# Altium PCB BatteryBoard.PcbDoc (part 1 of 2)
Units mil, origin at the board's own origin, x right, y up, seen from the top; angles counter-clockwise.
Board outline 9610 x 6351.06 mil, 2 copper layers (Top Layer, Bottom Layer); 145 components, 91 nets, 495 pads, 778 vias.
Unrouted connection lines stored in the file: 1.
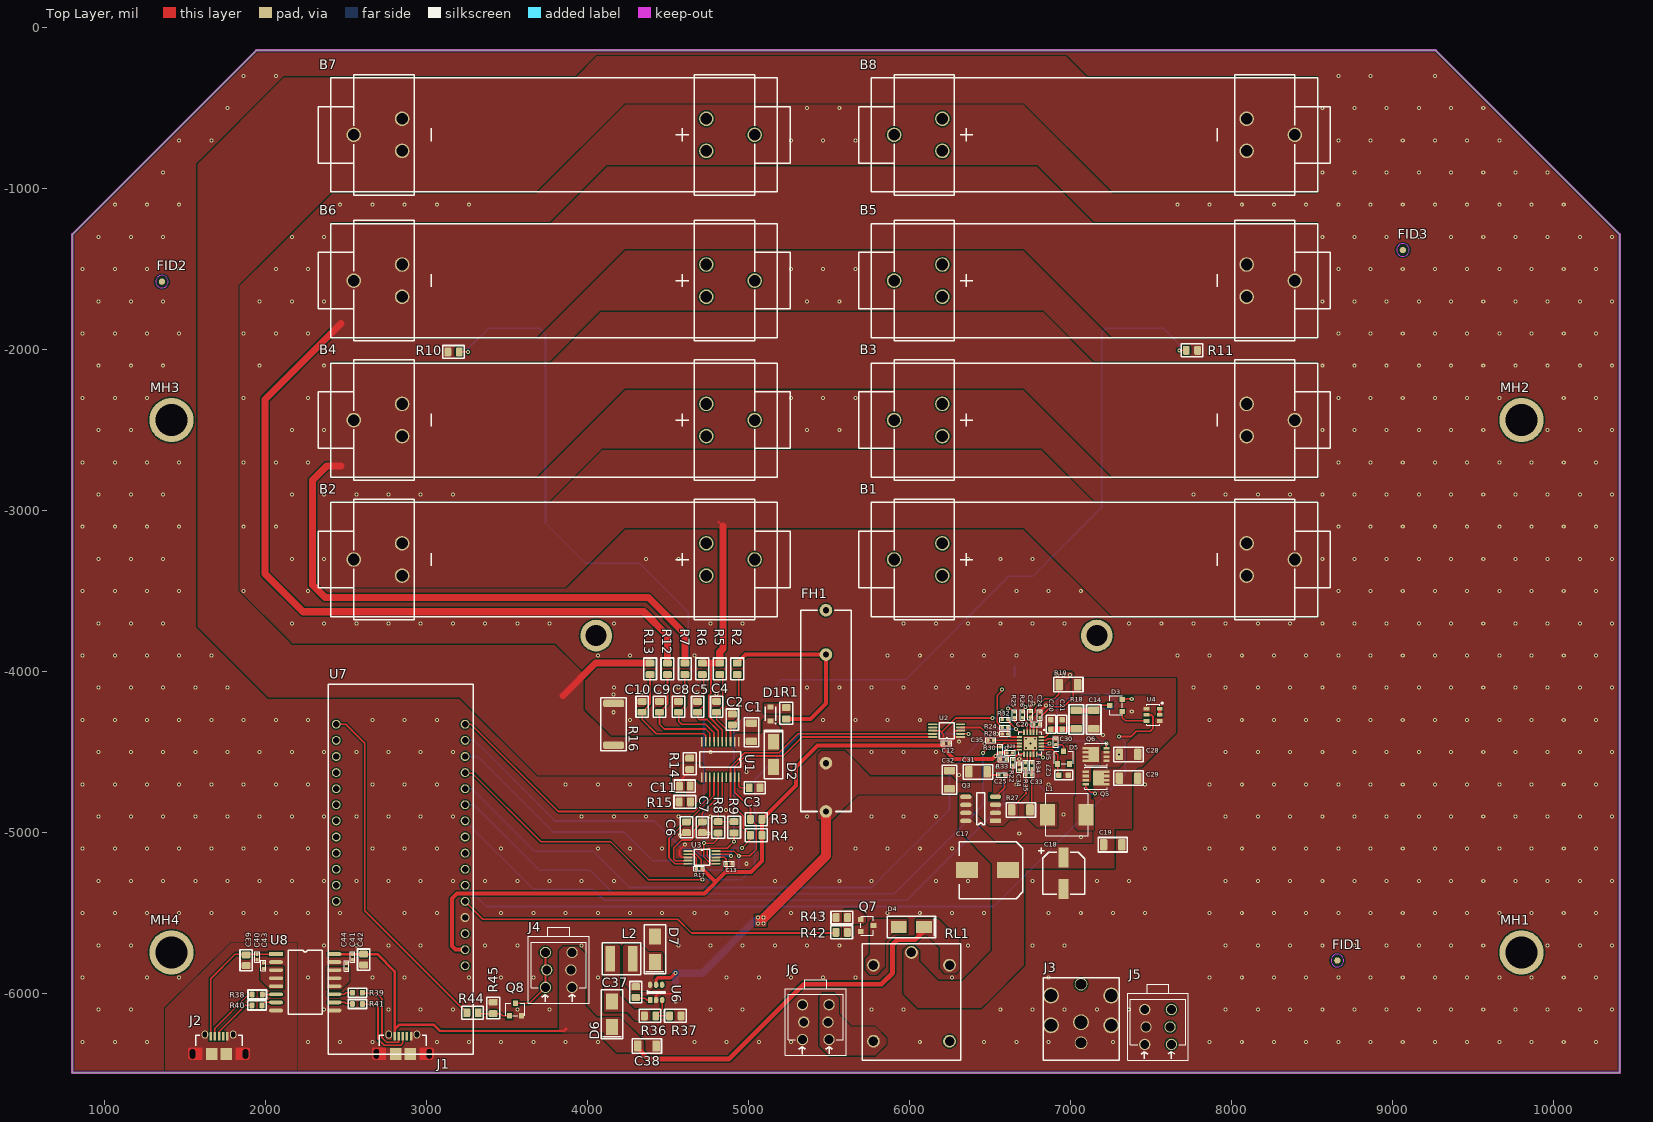
[diagram p0: Top Layer view]
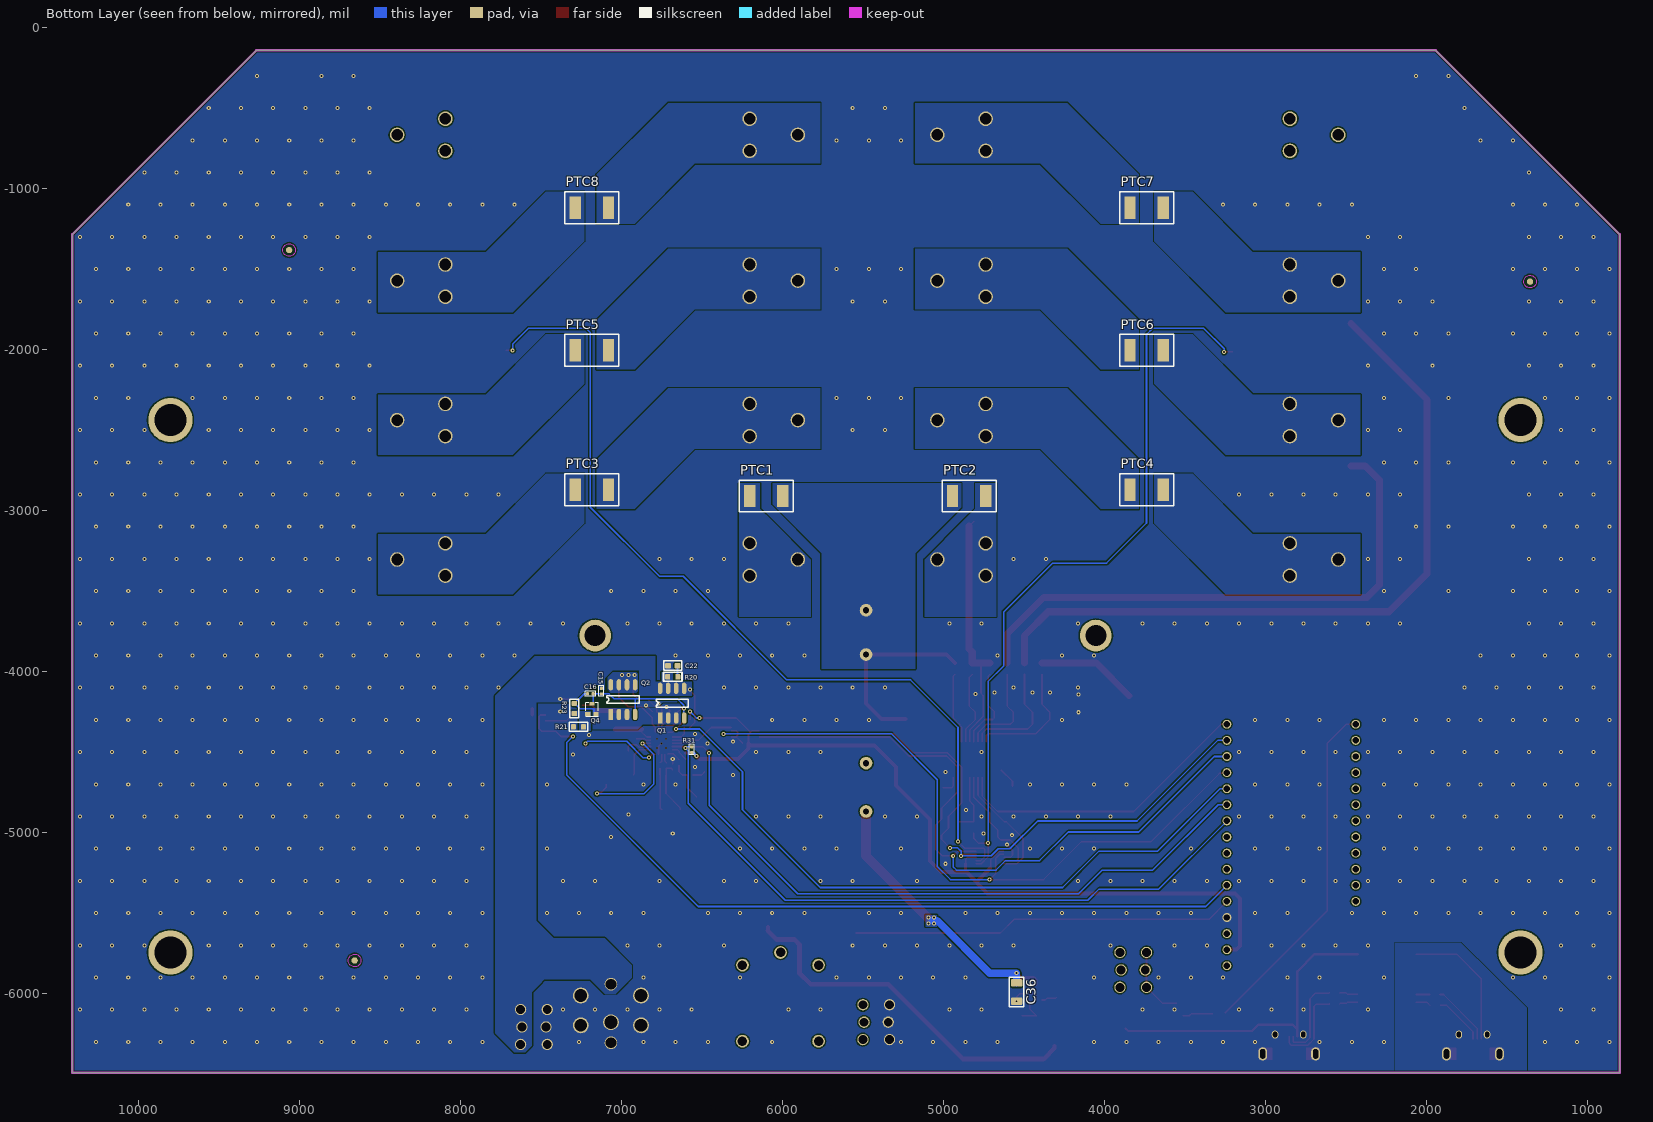
[diagram p1: Bottom Layer view, seen from below]
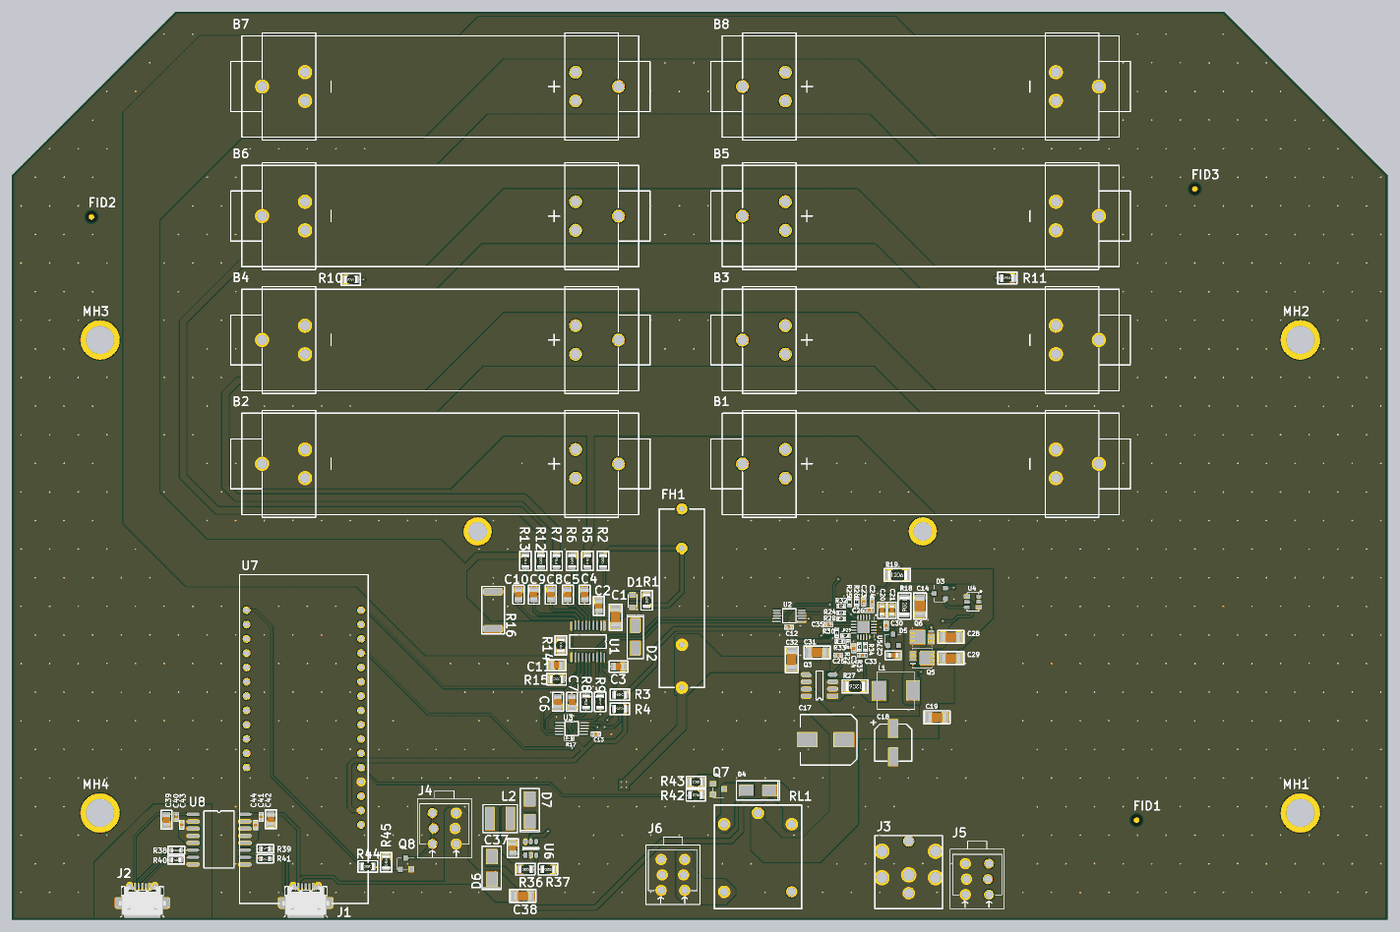
[diagram p3: 3D render of the assembled board from above, using the file's embedded part models]

## Layer stack, top to bottom
Top Solder: solder mask 0.4, Solder Resist, Dk 3.5
Top Layer: signal copper 1.4
Dielectric 1: dielectric 12.6, FR-4, Dk 4.8
Bottom Layer: signal copper 1.4
Bottom Solder: solder mask 0.4, Solder Resist, Dk 3.5

## Board outline
802,-6496.06 802,-1287 1944,-145 9270,-145 10412,-1287 10412,-6496.06

## Design rules (kind name [scope] priority, off if disabled: settings)
Clearance [All] p1: gap=6 except(8: Arc-Poly Track-Poly SMDPad-Poly THPad-Poly Via-Poly Fill-Poly Poly-Poly)
ComponentClearance [All] p1: gap=0 collisioncheckmode=3 verticalgap=10 showdistances=FALSE
HoleSize [All] p1: absolutevalues=TRUE maxlimit=1000 minlimit=1 maxpercent=80.000 minpercent=20.000
HoleToHoleClearance [All] p1: gap=3.94 allowstackedmicrovias=TRUE
MinimumSolderMaskSliver [All] p1: minsoldermaskwidth=0
PlaneConnect [All] p1: planeconnectstyle=Direct reliefexpansion=20 reliefentries=4 reliefconductorwidth=10 reliefairgap=10
PolygonConnect [All] p1: connectstyle=Direct reliefconductorwidth=10 reliefentries=4 polygonreliefangle="90 Angle" airgapwidth=10
RoutingVias [All] p1: holewidth=28 width=50 viastyle="Through Hole" minholewidth=11.81 minwidth=5.91 maxholewidth=248.03 maxwidth=50
SilkToSilkClearance [All] p1: silktosilkclearance=0
SilkToSolderMaskClearance [IsPad] p1: minsilkscreentomaskgap=0 clearancetoexposedcopper=TRUE
SolderMaskExpansion [All] p1: expansion=4
UnRoutedNet [All] p1 off:
Width [All] p1: maxlimit=100 minlimit=6 preferedwidth=10
22 further rules are at their usual default settings.

## Classes and differential pairs
component class "Battery Front End": B1 B2 B3 B4 B5 B6 B7 B8 C1 C2 C3 C4 C5 C6 C7 C8 C9 C10 C11 D1 D2 FH1 PTC1 PTC2 PTC3 PTC4 PTC5 PTC6 PTC7 PTC8 R1 R2 R3 R4 R5 R6 R7 R8 R9 R10 R11 R12 R13 R14 R15 R16 U1
component class ADC: C12 C13 R17 U2 U3
component class BatteryCharger: C14 C15 C16 C17 C18 C19 C20 C21 C22 C23 C24 C25 C26 C27 C28 C29 C30 C31 C32 C33 C34 C35 D3 D4 D5 L1 Q1 Q2 Q3 Q4 Q5 Q6 R18 R19 R20 R21 R22 R23 R24 R25 R26 R27 R28 R29 R30 R31 R32 R33 R34 R35 RL1 U4 U5
component class DC_DC_5V: C36 C37 C38 D6 D7 L2 R36 R37 U6
component class MC: C39 C40 C41 C42 C43 C44 J1 J2 J3 J4 J5 J6 Q7 Q8 R38 R39 R40 R41 R42 R43 R44 R45 U7 U8
component class Title: FID1 FID2 FID3 MH1 MH2 MH3 MH4

## Components (designator, comment, footprint, x,y, rotation, side; value= is the part's Value field where it differs from the comment)
B1 "Battery Cell 18650" "18650 PC PIN" 5905.51,-3307.09 r0 top
B2 "Battery Cell 18650" "18650 PC PIN" 5039.37,-3307.09 r180 top
B3 "Battery Cell 18650" "18650 PC PIN" 5905.51,-2440.94 r0 top
B4 "Battery Cell 18650" "18650 PC PIN" 5039.37,-2440.94 r180 top
B5 "Battery Cell 18650" "18650 PC PIN" 5905.51,-1574.8 r0 top
B6 "Battery Cell 18650" "18650 PC PIN" 5039.37,-1574.8 r180 top
B7 "Battery Cell 18650" "18650 PC PIN" 5039.37,-669.29 r180 top
B8 "Battery Cell 18650" "18650 PC PIN" 5905.51,-669.29 r0 top
C1 "CAP_GRT31CR61H106ME01L‎" CAP_1206 5019.68,-4379.92 r90 top
C2 "CAP_‎‎‎‎CL21B105KAFNNNE‎" CAP_0805 4901.57,-4301.18 r90 top
C3 "CAP_‎‎‎‎CL21B105KAFNNNE‎" CAP_0805 5039.37,-4724.41 r0 top
C4 "CAP_‎‎‎‎CL21B105KAFNNNE‎" CAP_0805 4803.15,-4222.44 r90 top
C5 "CAP_‎‎‎‎CL21B105KAFNNNE‎" CAP_0805 4685.04,-4222.44 r90 top
C6 "CAP_CL21B332KBANNNC‎" CAP_0805 4616.14,-4970.47 r270 top
C7 "CAP_CL21B332KBANNNC‎" CAP_0805 4714.57,-4970.47 r270 top
C8 "CAP_‎‎‎‎CL21B105KAFNNNE‎" CAP_0805 4566.93,-4222.44 r90 top
C9 "CAP_‎‎‎‎CL21B105KAFNNNE‎" CAP_0805 4448.82,-4222.44 r90 top
C10 "CAP_‎‎‎‎CL21B105KAFNNNE‎" CAP_0805 4340.55,-4222.44 r90 top
C11 "CAP_‎‎CC0805KRX7R8BB104‎" CAP_0805 4606.3,-4714.57 r0 top
C12 "CAP_‎‎CL05A104KA5NNNC‎" CAP_0402 6230.31,-4448.82 r0 top
C13 "CAP_‎‎CL05A104KA5NNNC‎" CAP_0402 4881.89,-5196.85 r0 top
C14 "CAP_‎C3216JB1E336M160AC‎" CAP_1206 7145.67,-4301.18 r270 top
C15 "CAP_AC0402KRX7R8BB222‎" CAP_0402 7126.28,-4124.41 r270 bottom
C16 "CAP_‎‎CL05A104KA5NNNC‎" CAP_0402 7195,-4141 r180 bottom
C17 "CAP_UWT1E221MNL1GS" "CAP UWT 8x10" 6486.22,-5236.22 r180 top
C18 "CAP_UWT1E101MCL1GS" "CAP ALU - 6.3mm DIA" 6958.66,-5255.91 r90 top
C19 "CAP_‎‎CL31A226KAHNNNE‎" CAP_1206 7263.78,-5078.74 r0 top
C20 "CAP_‎CL10A105KA8NNNC‎" CAP_0603 6880.22,-4331.1 r90 top
C21 "CAP_‎‎‎C1608X5R1E685K080AC" CAP_0603 6949.11,-4331.1 r90 top
C22 "CAP_‎‎GRM188R61E225KA12D‎" CAP_0603 6683.07,-3966.54 r0 bottom
C23 "CAP_‎‎CL05A104KA5NNNC‎" CAP_0402 6752,-4269 r90 top
C24 "CAP_‎‎CL05A104KA5NNNC‎" CAP_0402 6811.32,-4272.05 r90 top
C25 "CAP_‎CL05B103KA5NNNC‎" CAP_0402 6574.8,-4645.67 r180 top
C26 "CAP_‎‎CL05A104KA5NNNC‎" CAP_0402 6791.63,-4331.1 r0 top
C27 "CAP_‎CL10A105KA8NNNC‎" CAP_0603 6958.96,-4646.06 r0 top
C28 "CAP_‎CL31A106KAHNFNE‎" CAP_1206 7362.2,-4517.72 r180 top
C29 "CAP_‎CL31A106KAHNFNE‎" CAP_1206 7362.2,-4665.35 r0 top
C30 "CAP_‎‎‎C0402C473K3RACAUTO‎" CAP_0402 6909.74,-4439.37 r90 top
C31 "CAP_‎C3216JB1E336M160AC‎" CAP_1206 6427.17,-4625.98 r180 top
C32 "CAP_‎C3216JB1E336M160AC‎" CAP_1206 6250,-4675.2 r90 top
C33 "CAP_‎‎CL05A104KA5NNNC‎" CAP_0402 6742.42,-4646.06 r180 top
C34 "CAP_‎‎CL05A104KA5NNNC‎" CAP_0402 6683.07,-4596.46 r90 top
C35 "CAP_‎‎‎‎CC0402KRX7R8BB101‎" CAP_0402 6506.2,-4429.53 r180 top
C36 "CAP_GRT31CR61H106ME01L‎" CAP_1206 4547.24,-5994.09 r270 bottom
C37 "CAP_‎‎‎‎CL21B103KBANNNC" CAP_0805 4301.18,-5994.09 r90 top
C38 "CAP_‎‎CL31A226KAHNNNE‎" CAP_1206 4370.08,-6328.74 r0 top
C39 "CAP_‎‎‎‎CL21B105KAFNNNE‎" CAP_0805 1881,-5796 r270 top
C40 "CAP_‎‎CL05A104KA5NNNC‎" CAP_0402 1949,-5776 r270 top
C41 "CAP_‎‎CL05A104KA5NNNC‎" CAP_0402 2542,-5776 r270 top
C42 "CAP_‎‎‎‎CL21B105KAFNNNE‎" CAP_0805 2611,-5792 r270 top
C43 "CAP_‎‎CL05A104KA5NNNC‎" CAP_0402 1988,-5830 r90 top
C44 "CAP_‎‎CL05A104KA5NNNC‎" CAP_0402 2504,-5833 r90 top
D1 "DIODE_SCH_BAT54HT1G" SOD-323 5137.8,-4222.44 r270 top
D2 "DIODE_ZEN_SMAZ18-13-F" DO-214AC 5157.48,-4517.72 r270 top
D3 "DIODE_BAT54C" BAT54C 7323.13,-4212.99 r90 top
D4 "DIODE_SCH_PMEG6045ETPX" DO-214AC_SOD128 6013.78,-5590.55 r180 top
D5 "DIODE BAT54" BAT54 6958.96,-4577.17 r0 top
D6 "DIODE_SCH_PMEG6045ETPX" DO-214AC_SOD128 4153.54,-6131.89 r90 top
D7 "DIODE_SCH_PMEG6045ETPX" DO-214AC_SOD128 4419.29,-5728.35 r90 top
FH1 "FH 3AB-3AG" FH_3AB_3AG 5482.28,-3622.05 r270 top
FID1 "Fiducial 1mm" FID_1MM 8659,-5798 r90 top
FID2 "Fiducial 1mm" FID_1MM 1358,-1581 r90 top
FID3 "Fiducial 1mm" FID_1MM 9066,-1385 r90 top
J1 "629105150921" 629105150921 2854.33,-6377.95 r0 top
J2 "629105150921" 629105150921 1712.6,-6377.95 r0 top
J3 "Barrel 5.5x2.5mm" "Barrel 5.5mm 2.5mm" 7066.93,-6417.32 r90 top
J4 "MOLEX 4 POS - TERMINAL BLOCK 2 POS" MOLEX4POS_TERMBLOCK2POS 3905.51,-5964.57 r180 top
J5 "MOLEX 4 POS - TERMINAL BLOCK 2 POS" MOLEX4POS_TERMBLOCK2POS 7627.95,-6318.9 r180 top
J6 "MOLEX 4 POS - TERMINAL BLOCK 2 POS" MOLEX4POS_TERMBLOCK2POS 5501.97,-6289.37 r180 top
L1 "IND_ASPI-0630LR" ASPI-0630LR 6978.35,-4891.73 r180 top
L2 "IND_NR5040T150M" NR5040T150M 4212.6,-5787.4 r180 top
MH1 "Mounting Hole 6/32" MH_ENG_6-32 9803.15,-5748.03 r0 top
MH2 "Mounting Hole 6/32" MH_ENG_6-32 9803.15,-2440.94 r0 top
MH3 "Mounting Hole 6/32" MH_ENG_6-32 1417.32,-2440.94 r0 top
MH4 "Mounting Hole 6/32" MH_ENG_6-32 1417.32,-5748.03 r0 top
PTC1 "PTC_0ZCG0160BF2C" "PTC - 1812" 6102.36,-2913.39 r0 bottom
PTC2 "PTC_0ZCG0160BF2C" "PTC - 1812" 4842.52,-2913.39 r180 bottom
PTC3 "PTC_0ZCG0160BF2C" "PTC - 1812" 7185.04,-2874.02 r180 bottom
PTC4 "PTC_0ZCG0160BF2C" "PTC - 1812" 3740.16,-2874.02 r0 bottom
PTC5 "PTC_0ZCG0160BF2C" "PTC - 1812" 7185.04,-2007.87 r180 bottom
PTC6 "PTC_0ZCG0160BF2C" "PTC - 1812" 3740.16,-2007.87 r0 bottom
PTC7 "PTC_0ZCG0160BF2C" "PTC - 1812" 3740.16,-1122.05 r0 bottom
PTC8 "PTC_0ZCG0160BF2C" "PTC - 1812" 7185.04,-1122.05 r180 bottom
Q1 "NMOS_FDS6680AS" "SO-8 FDS6680AS" 6761.81,-4291.34 r90 bottom
Q2 "NMOS_FDS6680AS" "SO-8 FDS6680AS" 7067.22,-4269.29 r90 bottom
Q3 "NMOS_FDS6680AS" "SO-8 FDS6680AS" 6535.43,-4931.1 r180 top
Q4 "MOSFET-N" PG-SOT-323 7185.33,-4203.15 r180 bottom
Q5 "NMOS_SIS412DN" SiS412DN 7096.46,-4625.98 r0 top
Q6 "NMOS_SIS412DN" SiS412DN 7224.41,-4557.09 r180 top
Q7 "NMOS_DMN65D8L" SOT-23 5698.82,-5580.71 r270 top
Q8 "NMOS_DMN65D8L" SOT-23 3553.15,-6141.73 r0 top
R1 "RES_‎‎‎ERA-6AEB101V‎" RES_0805 5236.22,-4261.81 r90 top
R2 "RES_‎ERJ-6ENF43R2V‎" RES_0805 4931.1,-3986.22 r270 top
R3 "RES_‎‎‎‎RNCP0805FTD1K00‎" RES_0805 5049.21,-4921.26 r180 top
R4 "RES_‎‎‎‎RNCP0805FTD1K00‎" RES_0805 5049.21,-5019.68 r180 top
R5 "RES_‎ERJ-6ENF43R2V‎" RES_0805 4822.83,-3986.22 r270 top
R6 "RES_‎ERJ-6ENF43R2V‎" RES_0805 4714.57,-3986.22 r270 top
R7 "RES_‎ERJ-6ENF43R2V‎" RES_0805 4606.3,-3986.22 r270 top
R8 "RES_‎‎‎CRCW08056K34FKEA" RES_0805 4812.99,-4970.47 r270 top
R9 "RES_‎‎‎CRCW08056K34FKEA" RES_0805 4911.42,-4970.47 r270 top
R10 "RES_TH_NCP21XV103J03RA" RES_0805 3169.29,-2017.72 r180 top
R11 "RES_TH_NCP21XV103J03RA" RES_0805 7755.91,-2007.87 r0 top
R12 "RES_‎ERJ-6ENF43R2V‎" RES_0805 4498.03,-3986.22 r270 top
R13 "RES_‎ERJ-6ENF43R2V‎" RES_0805 4389.76,-3986.22 r270 top
R14 "RES_‎‎‎‎RNCP0805FTD1K00‎" RES_0805 4636,-4576 r90 top
R15 "RES_‎‎‎‎RNCP0805FTD1K00‎" RES_0805 4606.3,-4812.99 r180 top
R16 "RES_‎WSL2512R0170FEA18" RES_2512 4163.39,-4330.71 r90 top
R17 "RES_‎MCS0402MC1002FE000‎" RES_0402 4694.88,-5226.38 r180 top
R18 "RES_CRM1206-FX-10R0ELF‎" RES_1206 7037.4,-4301.18 r270 top
R19 "RES_‎‎‎KRL1632E-M-R010-F-T5" RES_1206 6988.19,-4084.65 r0 top
R20 "RES_‎‎‎‎RC0603JR-07430KL‎" RES_0603 6683.37,-4035.83 r180 bottom
R21 "RES_‎‎‎ERA-6AEB4020V‎_1" RES_0603 7269,-4347 r180 bottom
R22 "RES_‎‎‎ERJ-2RKF4021X‎" RES_0402 6644,-4567.32 r270 top
R23 "RES_‎‎‎‎RC0603FR-073M01L‎" RES_0603 7294,-4232 r90 bottom
R24 "RES_RC0402FR-07430KL‎" RES_0402 6594.78,-4350.79 r0 top
R25 "RES_‎‎‎ERJ-2RKF4021X‎" RES_0402 6653.84,-4272.05 r270 top
R26 "RES_‎‎‎ERJ-2RKF4021X‎" RES_0402 6703.05,-4272.05 r270 top
R27 "RES_‎‎‎KRL1632E-M-R010-F-T5" RES_1206 6692.91,-4862.2 r180 top
R28 "RES_‎‎‎‎RMCF0402FT66K5" RES_0402 6594.78,-4390.16 r180 top
R29 "RES_MCS04020C4703FE000‎" RES_0402 6624.31,-4508.27 r0 top
R30 "RES_‎MCS0402MC1002FE000‎" RES_0402 6565.26,-4488.58 r90 top
R31 "RES_‎MCS0402MC1002FE000‎" RES_0402 6565.26,-4488.58 r90 bottom
R32 "RES_‎MCS0402MC1002FE000‎" RES_0402 6594.78,-4301.57 r0 top
R33 "RES_‎‎‎MCS04020C1503FE000‎" RES_0402 6584.94,-4547.64 r0 top
R34 "RES_ERJ-2RKF10R0X‎" RES_0402 6762.11,-4587.01 r270 top
R35 "RES_‎‎‎ERJ-2GEJ7R5X‎" RES_0402 6722.74,-4587.01 r270 top
R36 "RES_‎‎‎‎RC0805FR-0756KL" RES_0805 4389.76,-6141.73 r0 top
R37 "RES_‎‎‎‎‎RMCF0805FT10K0‎" RES_0805 4547.24,-6141.73 r0 top
R38 "RES_‎‎‎‎‎RMCF0603FT27R0‎" RES_0603 1950,-6009 r0 top
R39 "RES_‎‎‎‎‎RMCF0603FT27R0‎" RES_0603 2572,-5998 r0 top
R40 "RES_‎‎‎‎‎RMCF0603FT27R0‎" RES_0603 1948,-6077 r0 top
R41 "RES_‎‎‎‎‎RMCF0603FT27R0‎" RES_0603 2572,-6068 r0 top
R42 "RES_‎‎‎ERA-6AEB101V‎" RES_0805 5580,-5623 r180 top
R43 "RES_‎RMCF0805FT100K‎" RES_0805 5581,-5531 r180 top
R44 "RES_‎‎‎ERA-6AEB101V‎" RES_0805 3287.4,-6122.05 r180 top
R45 "RES_‎RMCF0805FT100K‎" RES_0805 3415.35,-6092.52 r90 top
RL1 "Relay SPDT" ORWH-SH 5777.56,-5826.77 r270 top
U1 "IC_BATT_BQ76925PWR" BQ76925 4940.94,-4438.98 r270 top
U2 "IC_ADC12b_ADS1015" ADS1015 6318.9,-4409.45 r180 top
U3 "IC_ADC12b_ADS1015" ADS1015 4625.98,-5118.11 r0 top
U4 "DIGI_TR_IMD2A" IMD2A 7515,-4272 r0 top
U5 "IC_BATT_BQ24725A" bq24725A 6752.26,-4449.21 r270 top
U6 "REG_SW_RT8258" SOT23-6 4389.76,-6043.31 r90 top
U7 "ESP32" "ESP32 V1" 2440.94,-4330.71 r0 top
U8 "IC_USB ISOLATOR_ADUM3160" SOIC16 2066.93,-5757.87 r0 top

## Footprints (in the part's own frame and the unit in brackets; to place one, negate y for a bottom-side part, rotate by r counter-clockwise, add the part's x,y. Pads: shape width x height; smd on the part's side, far side on the other; paste and mask are expansions set on the pad)
"18650 PC PIN" [mm]
  round 2.3 hole 1.83: 1(0,0) 1(7.62,-2.54) 1(7.62,2.54) 2(55.62,-2.54) 2(55.62,2.54) 2(63.24,0)
  silkscreen extent -5.6,-9.5 68.84,9.5
629105150921 [mm] "Micro USB 2.0 Type AB Horizontal"
  rect 0.4x1.35 smd: 1(-1.3,2.805) 2(-0.65,2.805) 3(0,2.805) 4(0.65,2.805) 5(1.3,2.805)
  round 0 / inner oval 1.4x2.1 / far side oval 1.4x2.1 hole 0.825 slot 1.5 at 90 deg: Shell(-4.175,0)
  oval 1.05x1.25 hole 0.65 slot 0.85 at 90 deg: Shell(-2.225,3.055) Shell(2.225,3.055)
  rect 1.8x1.9 smd: Shell(-1.15,0) Shell(1.15,0)
  round 0 / inner round 0 / far side oval 1.4x2.1 hole 0.825 slot 1.5 at 90 deg: Shell(4.175,0)
  Top Layer region: -4.353,-0.95 -4.544,-0.912 -4.706,-0.804 -4.814,-0.641 -4.852,-0.45 -4.852,-0.45 -4.852,0.65 -4.83,0.765 -4.765,0.862 -4.667,0.927 -4.553,0.95 -4.553,0.95 -2.668,0.95 -2.668,-0.95
  Top Layer region: 4.353,-0.95 4.544,-0.912 4.706,-0.804 4.814,-0.641 4.852,-0.45 4.852,-0.45 4.852,0.65 4.83,0.765 4.765,0.862 4.667,0.927 4.553,0.95 4.553,0.95 2.668,0.95 2.668,-0.95
  silkscreen extent -3.7,1.25 3.7,2.97, body extent -4.3,-2.64 4.3,3.23, height 2.76
ADS1015 [mm]
  rect 1.45x0.3 smd: 1(0,0)
  oval 1.45x0.3 smd: 2(0,-0.5) 3(0,-1) 4(0,-1.5) 5(0,-2) 6(4.4,-2) 7(4.4,-1.5) 8(4.4,-1) 9(4.4,-0.5) 10(4.4,0)
  silkscreen extent 1,-2.25 3.4,0.25
ASPI-0630LR [mm]
  rect 2.35x3.4 smd: 1(-3.025,0) 2(3.025,0)
  silkscreen extent -3.35,-3.35 3.35,3.35
"Barrel 5.5mm 2.5mm" [mm]
  round 2 hole 1.7: 1(12,0) 3(2.75,0)
  round 2.5 hole 2.1: 2(6,0)
  round 2.5 hole 2: 3(5.5,-4.75) 3(5.5,4.75) 3(10.2,-4.75) 3(10.2,4.75)
  silkscreen extent 0,-6 13,6
BAT54 [mm]
  rect 0.8x0.9 smd: 1(-0.95,0) 2(0.95,0) 3(0,2)
  silkscreen extent -1.5,0 1.5,1.97
BAT54C [mm]
  rect 0.8x0.9 smd: 1(0.95,0) 2(-0.95,0) 3(0,2)
  silkscreen extent -1.5,0 1.5,1.97
bq24725A [mm]
  rect 2.05x2.05 smd: 0(0,0)
  rect 0.85x0.28 smd: 1(-1.725,1) 2(-1.725,0.5) 3(-1.725,0) 4(-1.725,-0.5) 5(-1.725,-1) 11(1.725,-1) 12(1.725,-0.5) 13(1.725,0) 14(1.725,0.5) 15(1.725,1)
  rect 0.28x0.85 smd: 6(-1,-1.725) 7(-0.5,-1.725) 8(0,-1.725) 9(0.5,-1.725) 10(1,-1.725) 16(1,1.725) 17(0.5,1.725) 18(0,1.725) 19(-0.5,1.725) 20(-1,1.725)
  silkscreen extent -2.18,-1.83 1.83,2.23
BQ76925 [mm]
  rect 1.55x0.25 smd: 1(0,0)
  oval 1.55x0.25 smd: 2(0,-0.65) 3(0,-1.3) 4(0,-1.95) 5(0,-2.6) 6(0,-3.25) 7(0,-3.9) 8(0,-4.55) 9(0,-5.2) 10(0,-5.85) 11(5.6,-5.85) 12(5.6,-5.2) 13(5.6,-4.55) 14(5.6,-3.9) 15(5.6,-3.25) 16(5.6,-2.6) 17(5.6,-1.95) 18(5.6,-1.3) 19(5.6,-0.65) 20(5.6,0)
  silkscreen extent 1.61,-6.18 3.99,0.33
"CAP ALU - 6.3mm DIA" [mm]
  rect 3.2x1.6 smd: 1(2.5,0) 2(-2.5,0)
  silkscreen extent -3.3,-3.3 4.05,3.98
"CAP UWT 8x10" [mm]
  rect 3.5x2.5 smd: 1(-3.25,0) 2(3.25,0)
  silkscreen extent -5.55,-4.5 4.5,4.5
CAP_0402 [mil]
  rrect60% 20x20 smd: 1(-17.5,0) 2(17.5,0)
  silkscreen extent -32,-15 32,15, body extent -19,-10 20,10, height 20
CAP_0603 [mil]
  rrect35% 35x34 smd: 1(-29.5,0) 2(29.5,0)
  silkscreen extent -56,-30 56,30, body extent -32,-16 31,16, height 35
CAP_0805 [mil]
  rrect37% 43x55 smd: 1(-33.5,0) 2(33.5,0)
  silkscreen extent -66,-38 66,38, body extent -39,-24 40,25, height 49
CAP_1206 [mil]
  rrect34% 47x71 smd: 1(-57,0) 2(57,0)
  silkscreen extent -91,-45 91,45, body extent -62,-31 64,32, height 49
DO-214AC [mm]
  rect 2.5x1.7 smd: 1(2,0) 2(-2,0)
  silkscreen extent -3.85,-1.45 3.85,1.45
DO-214AC_SOD128 [mm] "In between DO-214AC and SOD128 diode package for easy diode change"
  rect 2.5x1.9 smd: 1(2,0) 2(-2,0)
  silkscreen extent -3.85,-1.7 3.85,1.7
"ESP32 V1" [mil]
  round 55 hole 40: 1(0,0) 2(0,-100) 3(0,-200) 4(0,-300) 5(0,-400) 6(0,-500) 7(0,-600) 8(0,-700) 9(0,-800) 10(0,-900) 11(0,-1000) 12(0,-1100) 13(800,0) 14(800,-100) 15(800,-200) 16(800,-300) 17(800,-400) 18(800,-500) 19(800,-600) 20(800,-700) 21(800,-800) 22(800,-900) 23(800,-1000) 24(800,-1100) 25(800,-1200) 26(800,-1300) 27(800,-1400) 28(800,-1500)
  silkscreen extent -50,-2050 850,250
FH_3AB_3AG [mm]
  round 2 hole 1: 1(0,0) 1(7,0) 2(24.13,0) 2(31.75,0)
  silkscreen extent 0,-4 31.75,4
FID_1MM [mm] "Fiducial 1mm diameter - Exposed 2mm"
  round 1 all layers, no hole paste-1 mask+0.5: 0(0,0)
  Keep-Out Layer circle w0.127: c0,0 r1
IMD2A [mm]
  rect 0.9x0.6 smd: 1(1.05,0.95) 2(1.05,0) 3(1.05,-0.95) 4(-1.05,-0.95) 5(-1.05,0) 6(-1.05,0.95)
  silkscreen extent -1.05,-1.65 1.55,1.97
MH_ENG_6-32 [mm] "Mounting hole - Imperial 6-32"
  round 7 hole 5: 1(0,0)
MOLEX4POS_TERMBLOCK2POS [mm]
  round 1.78 hole 1.4: 1(0,0) 2(4.2,0) 3(0,-5.5) 4(4.2,-5.5) 5(0.195,-2.75) 6(4,-2.75)
  silkscreen extent -2.7,-9.45 6.9,2.5
NR5040T150M [mm]
  rect 1.5x4 smd: 1(-1.8,0) 2(1.8,0)
  silkscreen extent -3.05,-2.5 3.05,2.5
ORWH-SH [mm]
  round 2 hole 1.5: 1(0,12) 2(-2,6) 3(0,0) 4(12,0) 5(12,12)
  silkscreen extent -3.4,-1.75 15,13.75
PG-SOT-323 [mm] "TO, Flat Index; 3 In-Line, Axial Leads; Body Dia. 4.6mm; Lead Dia. 0.5 mm (max)"
  rect 0.8x0.6 smd: 1(-0.65,-1.6) 2(0.65,-1.6) 3(0,0)
  silkscreen extent -1,-2.07 1,0.18
"PTC - 1812" [mm]
  rect 1.78x3.5 smd: 1(-2.615,0) 2(2.615,0)
  silkscreen extent -4.25,-2.5 4.26,2.5
RES_0402 [mil]
  rrect60% 20x20 smd: 1(-17.5,0) 2(17.5,0)
  silkscreen extent -32,-15 32,15, body extent -23,-11 23,11, height 16
RES_0603 [mil]
  rrect39% 31x35 smd: 1(-31.5,0) 2(31.5,0)
  silkscreen extent -58,-28 58,28, body extent -33,-16 33,16, height 22
RES_0805 [mil]
  rrect37% 43x55 smd: 1(-35.5,0) 2(35.5,0)
  silkscreen extent -68,-40 68,40, body extent -45,-27 45,27, height 30
RES_1206 [mil]
  rrect34% 47x71 smd: 1(-57,0) 2(57,0)
  silkscreen extent -91,-45 91,45, body extent -66,-34 66,34, height 33
RES_2512 [mm]
  rrect50% 1.2x3.3 smd: 1(-3.3,0) 2(3.3,0)
  silkscreen extent -4.2,-2 4.2,2
SiS412DN [mm]
  rect 1.725x2.35 smd: 1(1.993,-0.99)
  rect 0.99x0.405 smd: 1(3.237,-1.98) 1(3.237,-1.32) 1(3.237,-0.66) 1(3.237,0) 2(0,-1.98) 3(0,-1.32) 3(0,-0.66) 3(0,0)
  silkscreen extent -0.13,-2.74 3.37,0.76
"SO-8 FDS6680AS" [mm]
  oval 1.78x0.72 smd: 1(4.68,-3.81) 1(4.68,-2.54) 1(4.68,-1.27) 1(4.68,0) 2(0,-3.81) 3(0,-2.54) 3(0,-1.27)
  rect 1.78x0.72 smd: 3(0,0)
  silkscreen extent 1.72,-4.44 2.96,0.63
SOD-323 [mm]
  rect 0.8x1 smd: 1(0,0) 2(2.225,0)
  silkscreen extent 0,-0.8 2.62,0.83
SOIC16 [mm]
  rect 2.2x0.6 smd: 1(0,0)
  oval 2.2x0.6 smd: 2(0,-1.27) 3(0,-2.54) 4(0,-3.81) 5(0,-5.08) 6(0,-6.35) 7(0,-7.62) 8(0,-8.89) 9(9.2,-8.89) 10(9.2,-7.62) 11(9.2,-6.35) 12(9.2,-5.08) 13(9.2,-3.81) 14(9.2,-2.54) 15(9.2,-1.27) 16(9.2,0)
  silkscreen extent 1.93,-9.53 7.26,0.64
SOT23-6 [mm]
  rect 1x0.7 smd: 1(0,0)
  oval 1x0.7 smd: 2(0,-0.95) 3(0,-1.9) 4(2.4,-1.9) 5(2.4,-0.95) 6(2.4,0)
  silkscreen extent 0.96,-2.38 1.44,0.48
SOT-23 [mm]
  rect 0.8x0.9 smd: 1(0.95,0) 2(-0.95,0) 3(0,2)
  silkscreen extent -1.5,0 1.5,1.97

## Part data
C1 C36: library part CAP_GRT31CR61H106ME01L?, "CAP CER 10uF 50V 1206"
C2 C3 C4 C5 C8 C9 C10 C39 C42: library part CAP_????CL21B105KAFNNNE?, "CAP CER 1uF 25V 0805"
C6 C7: library part CAP_CL21B332KBANNNC?, "CAP CER 3300pF 50V 0805"
C11: library part CAP_??CC0805KRX7R8BB104?, "CAP CER 0.1uF 25V 0805"
C12 C13 C16 C23 C24 C26 C33 C34 C40 C41 C43 C44: library part CAP_??CL05A104KA5NNNC?, "CAP CER 0.1uF 25V 0402"
C14 C31 C32: library part CAP_?C3216JB1E336M160AC?, "CAP CER 33uF 25V 1206"
C15: library part CAP_AC0402KRX7R8BB222?, "CAP CER 2200PF 25V 0402"
C17: "CAP ALU 220µF 25V"
C18: "CAP ALU 100µF 25V"
C19 C38: library part CAP_??CL31A226KAHNNNE?, "CAP CER 22uF 25V 1206"
C20 C27: library part CAP_?CL10A105KA8NNNC?, "CAP CER 1uF 25V 0603"
C21: library part CAP_???C1608X5R1E685K080AC, "CAP CER 6.8uF 25V 0603"
C22: library part CAP_??GRM188R61E225KA12D?, "CAP CER 2.2uF 25V 0603"
C25: library part CAP_?CL05B103KA5NNNC?, "CAP CER 10000pF 25V 0402"
C28 C29: library part CAP_?CL31A106KAHNFNE?, "CAP CER 10uF 25V 1206"
C30: library part CAP_???C0402C473K3RACAUTO?, "CAP CER 0.047uF 25V 0402"
C35: library part CAP_????CC0402KRX7R8BB101?, "CAP CER 100pF 25V 0402"
C37: library part CAP_????CL21B103KBANNNC, "CAP CER 10000pF 50V 0805"
D1: "Diode Schottky 30V 200mA (DC)"
D2: "Diode Zener 18V 1W ±5%"
D3: "Dual input Diode"
D4 D6 D7: "Diode Schottky 60V 4.5A Surface Mount CFP5"
FH1: "Fuse holder (3AB-3AG)"
FID1 FID2 FID3: library part "FID - 1MM", "FID - 1MM"
J1 J2: "Micro USB 2.0 Type AB Receptacle WR-COM, Horizontal, SMT"
J3: "Jack 5.5x2.5mm"
L1: "4.7µH Shielded Molded Inductor 5.5A 35mOhm"
L2: "15µH Shielded Wirewound Inductor 1.8A 104mOhm Max Nonstandard"
MH1 MH2 MH3 MH4: library part "MH - 6-32"
PTC1 PTC2 PTC3 PTC4 PTC5 PTC6 PTC7 PTC8: "PTC_Polymeric PTC Resettable Fuse 16V 1.6A Ih"
Q1 Q2 Q3: "NMOS_N-Channel 30V 11.5A (Ta) 2.5W (Ta) Surface Mount 8-SOIC"
Q4: "N-Channel MOSFET"
Q5 Q6: "NMOS_N-Channel 30V 12A (Tc) 3.2W (Ta), 15.6W (Tc)"
Q7 Q8: "NMOS_N-Channel 60V 310mA (Ta) 370mW (Ta)"
R1 R42 R44: library part RES_???ERA-6AEB101V?, "RES 100R 1% 1/8W 0805"
R2 R5 R6 R7 R12 R13: library part RES_?ERJ-6ENF43R2V?, "RES 43.2R 1% 1/8W 0805"
R3 R4 R14 R15: library part RES_????RNCP0805FTD1K00?, "RES 1K 1% 1/4W 0805"
R8 R9: library part RES_???CRCW08056K34FKEA, "RES 6.34K 1% 1/8W 0805"
R10 R11: "Thermistor 10K - 0805"
R16: library part RES_?WSL2512R0170FEA18, "RES 0.017R 1% 2W 2512"
R17 R30 R31 R32: library part RES_?MCS0402MC1002FE000?, "RES 10K 1% 1/10W 0402"
R18: library part RES_CRM1206-FX-10R0ELF?, "RES 10R 1% 1/2W 1206"
R19 R27: library part RES_???KRL1632E-M-R010-F-T5, "RES 0.01R 1% 3/4W 1206"
R20: library part RES_????RC0603JR-07430KL?, "RES 430K 5% 1/10W 0603"
R21: library part RES_???ERA-6AEB4020V?_1, "RES 1M 5% 1/10W 0603"
R22 R25 R26: library part RES_???ERJ-2RKF4021X?, "RES 4.02K 1% 1/10W 0402"
R23: library part RES_????RC0603FR-073M01L?, "RES 3.01M 1% 1/10W 0603"
R24: library part RES_RC0402FR-07430KL?, "RES 430K 1% 1/16W 0402"
R28: library part RES_????RMCF0402FT66K5, "RES 66.5K 1% 1/16W 0402"
R29: library part RES_MCS04020C4703FE000?, "RES 470K 1% 1/10W 0402"
R33: library part RES_???MCS04020C1503FE000?, "RES 150K 1% 1/10W 0402"
R34: library part RES_ERJ-2RKF10R0X?, "RES 10R 1% 1/10W 0402"
R35: library part RES_???ERJ-2GEJ7R5X?, "RES 7.5R 5% 1/10W 0402"
R36: library part RES_????RC0805FR-0756KL, "RES 56K 1% 1/8W 0805"
R37: library part RES_?????RMCF0805FT10K0?, "RES 10K 1% 1/8W 0805"
R38 R39 R40 R41: library part RES_?????RMCF0603FT27R0?, "RES 27R 1% 1/10W 0603"
R43 R45: library part RES_?RMCF0805FT100K?, "RES 100K 1% 1/8W 0805"
U1: "Battery management system"
U2 U3: "ADC 12-bits with Internal Reference, Oscillator, and Programmable Comparator"
U4: "Dual digital Transistor"
U5: "Battery Charger"
U6: "REG 1.2A, 24V, 700kHz Step-Down Converter"
U8: "USB Isolator"

## Free pads (board coordinates)
  round 196.85 hole 129.92: 0(4055.12,-3779.53) 0(7165.35,-3779.53)

## Via types
v1: diameter 25, hole 12, Top Layer to Bottom Layer, tented both sides, 714 vias
v2: diameter 25, hole 12, Top Layer to Bottom Layer, tented top, 59 vias
v3: diameter 12, hole 12, Top Layer to Bottom Layer, tented top, 5 vias

## Nets (pads, with @x,y where several pads share a name; then routed paths per layer and width w, separated by ;. In a path a pad name is that pad's centre, name@x,y a point inside that pad or via, vN(x,y) a via of type N, cw(c..) or ccw(c..) an arc to the next point about the centre after c; other vN are vias at no path point)
5V_INTERNAL: U7.10
5V_REG: C38.1 C41.1 C42.1 D4.2 D6.2 J1.1 J4.1 J4.3 J4.5 RL1.1 U8.16 | length 4219.3
  Top Layer w15: U8.16@2429.13,-5757.87 2695.87,-5757.87 2803.15,-5865.15 2803.15,-6225.85 ; J1.1@2803.15,-6267.52 2803.15,-6225.85 ; 3870,-6220 3854,-6236 3085,-6236 3045,-6196 2833,-6196 2803.15,-6225.85 ; J4.1@3897.85,-5985.04 J4.1@3905.51,-5985.04 ; J4.3@3897.83,-5755.71 J4.3@3905.51,-5748.03
  Top Layer w25: C38.1@4313.08,-6343.08 C38.1@4313.08,-6328.74 ; D4.2@6092.52,-5612.48 D4.2@6092.52,-5590.55
  Top Layer w30: C38.1@4313.08,-6343.08 4380,-6410 4879.37,-6410 5344.49,-5944.88 5826.77,-5944.88 5895.67,-5875.98 5895.67,-5698.82 5926.49,-5668 6037,-5668 D4.2@6092.52,-5612.48
+BATT: C25.2 C31.1 C32.1 C33.2 C34.1 C36.1 FH1.2 Q3.3 R27.2 R35.2 U6.4 U6.5 | length 2232.4
  Top Layer w10: C31.1@6484.17,-4625.98 6503.85,-4645.67 C25.2@6557.3,-4645.67 ; R27.2@6635.91,-4862.2 6635.91,-4850.09 6724.92,-4761.08 C33.2@6724.92,-4646.06 6722.74,-4643.88 R35.2@6722.74,-4604.51 6692.52,-4604.51 C34.1@6683.07,-4613.96
  Top Layer w20: U6.5@4427.17,-5948.82 4427.17,-5917.32 4438.98,-5905.51 4517.72,-5905.51 v2(4547.24,-5875.98)
  Top Layer w25: v2@5059.06,-5539 v2@5090.92,-5539
  Top Layer w60: v2@5090.92,-5539 5482.28,-5147.64 FH1.2@5482.28,-4872.05
  Bottom Layer w25: C36.1@4547.24,-5937.09 v2(4547.24,-5875.98)
  Bottom Layer w45: C36.1@4547.24,-5937.09 4547.24,-5877 4714,-5877 5041,-5550 5073,-5550
  other v2: 5059.06,-5568.71 5095.33,-5568.71 5059.06,-5531.13 5095.33,-5531.13
-BATT: B7.2 B8.2 R13.1 R14.2 R16.1 U1.10 | length 625.4
  Top Layer w42: 3848.43,-4153.54 4051.25,-3950.72 R13.1@4389.76,-3950.72
BQ_ACOK: R32.2 U5.5 U7.17 | length 4360.8
  Top Layer w10: R32.2@6612.28,-4301.57 6612.28,-4309.13 v2(6663.39,-4360.24) 6684.45,-4381.3 U5.5@6712.89,-4381.3
  Bottom Layer w10: U7.17@3240.94,-4730.71 3283.86,-4730.71 3671.26,-5118.11 4035.43,-5118.11 4261.81,-5344.49 5767.72,-5344.49 6250,-4862.2 6250,-4625.98 6515.75,-4360.24 v2(6663.39,-4360.24)
BQ_SCL: R31.2 U5.9 U7.19 | length 4275.7
  Top Layer w10: v2(6604.33,-4478.35) 6613.78,-4468.9 U5.9@6684.35,-4468.9
  Bottom Layer w10: U7.19@3240.94,-4930.71 3664.57,-5354.33 4035.43,-5354.33 4105.1,-5424 5983.48,-5424 6269.69,-5137.8 6456.69,-4950.79 6586.26,-4821.22 6586.26,-4496.42 v2(6604.33,-4478.35) 6597.07,-4471.08 R31.2@6565.26,-4471.08
BQ_SDA: R30.2 U5.8 U7.18 | length 4249.2
  Top Layer w10: v2(6456.69,-4507.87) 6493.48,-4471.08 R30.2@6565.26,-4471.08 6587.13,-4449.21 U5.8@6684.35,-4449.21
  Bottom Layer w10: U7.18@3240.94,-4830.71 3295.28,-4830.71 3700.79,-5236.22 4015.75,-5236.22 4162.53,-5383 5906.37,-5383 6456.69,-4832.68 v2(6456.69,-4507.87)